# Allegro board 038NC-GRIFFI-V9A_16.brd (continued)
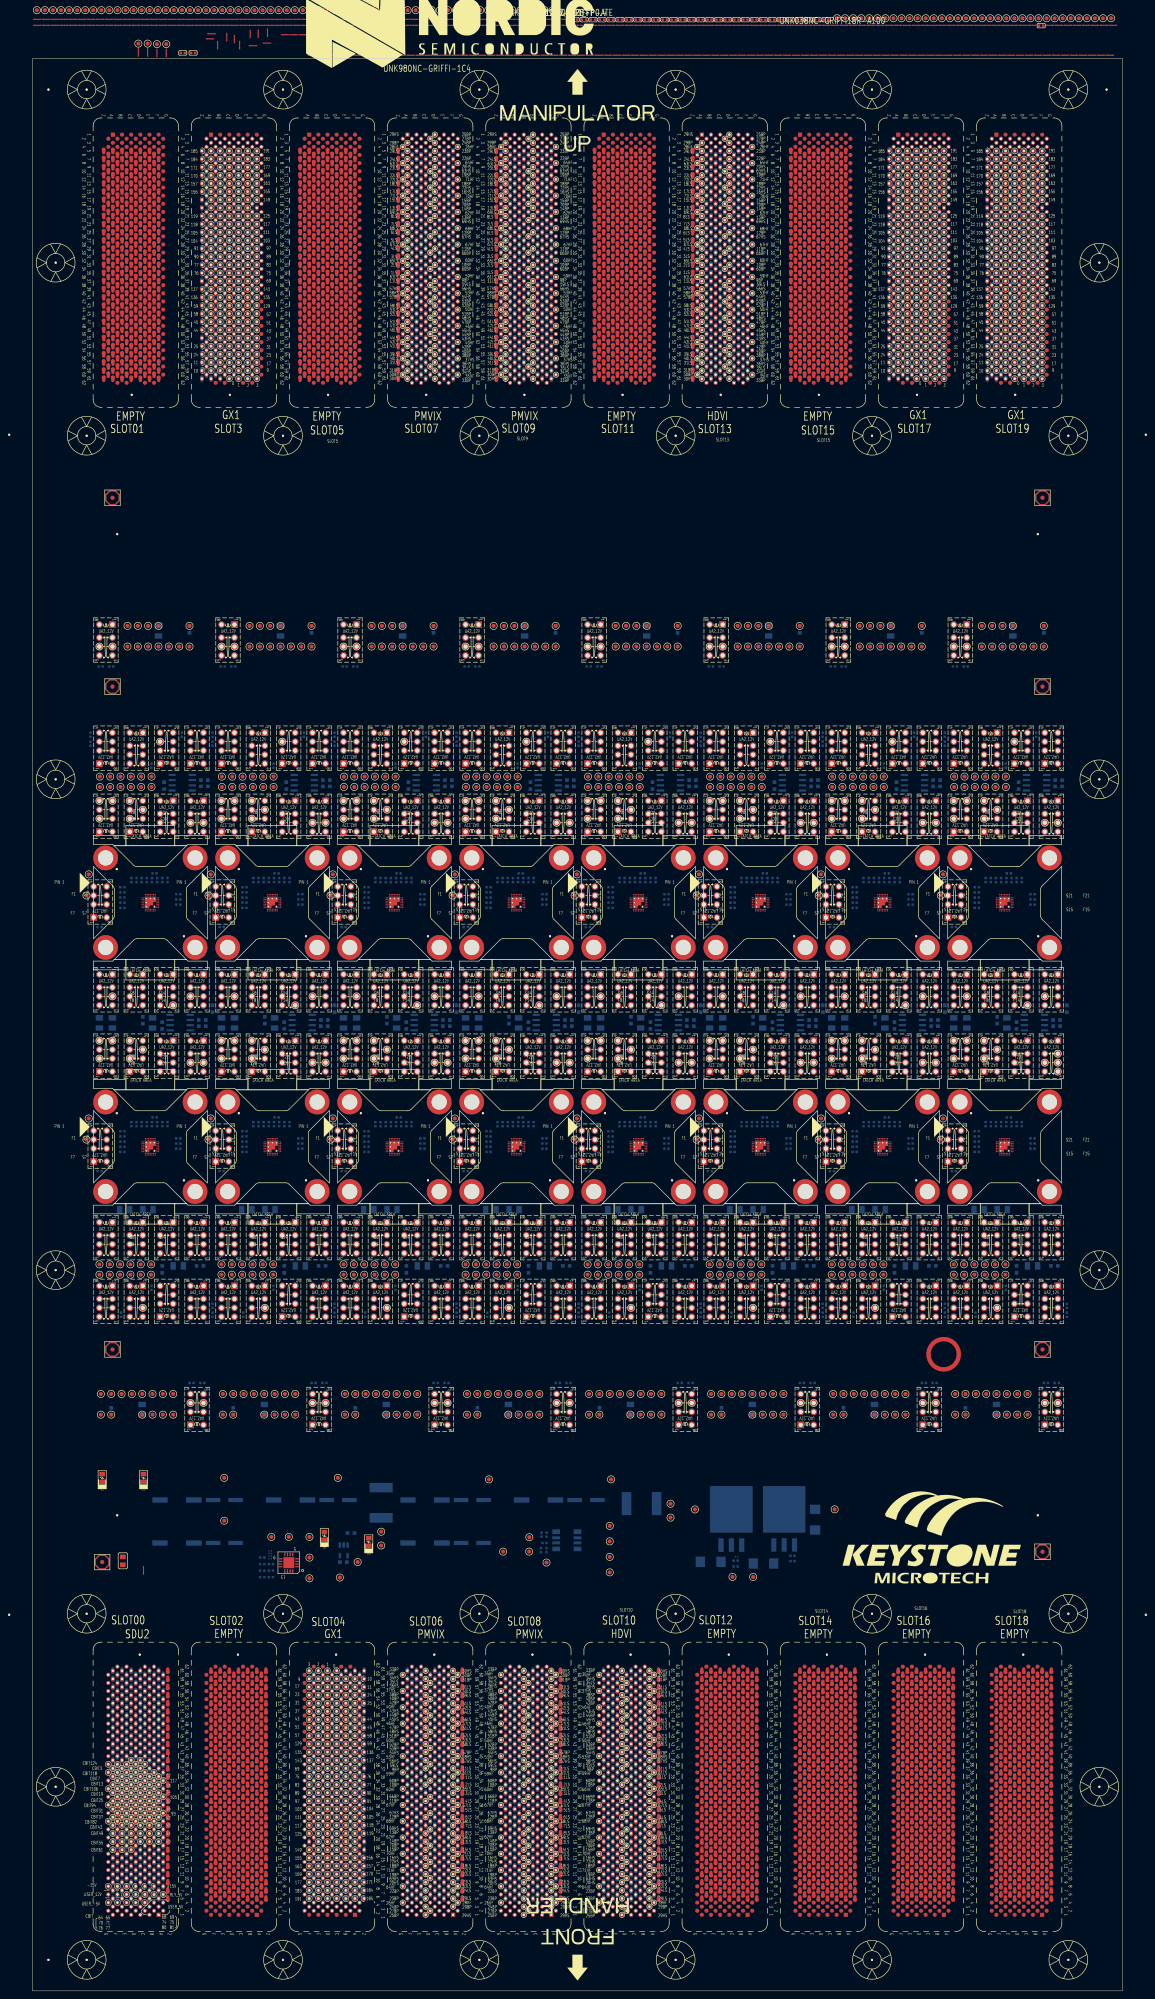
[diagram p0: board, top side]
## Footprints (pads in the part's own frame, mm; a bottom-side part is the same pattern mirrored in y, then rotated) (continued)
PG_LTXDX_F_X1_PG400ND_SL12_V3
  round 0.051 hole 2.489x2.21 unplated: (36.185,-220.342)
  round 0.508 hole 3.2 unplated: (37.185,-154.842)
  rect 1.016x1.016 smd: A1(41.814,-218.796)
  round 1.016 smd: A2(42.939,-217.796) A3(41.814,-216.796) A4(42.939,-215.796) B1(39.565,-218.796) B2(40.69,-217.796) B3(39.565,-216.796) B4(40.69,-215.796) B62(40.69,-157.796) C1(37.314,-218.796) C2(38.44,-217.796) C3(37.314,-216.796) C4(38.44,-215.796) C62(38.44,-157.796) D1(35.064,-218.796) D2(36.189,-217.796) D3(35.064,-216.796) D4(36.189,-215.796) E1(32.815,-218.796) E2(33.939,-217.796) E3(32.815,-216.796) E4(33.939,-215.796) E62(33.939,-157.796) F1(30.565,-218.796) F2(31.69,-217.796) F3(30.565,-216.796) F4(31.69,-215.796) F62(31.69,-157.796) G2(29.44,-217.796) G4(29.44,-215.796) G6(29.44,-213.796) G8(29.44,-211.796) G10(29.44,-209.796) G12(29.44,-207.796) G14(29.44,-205.796) G16(29.44,-203.796) G18(29.44,-201.796) G20(29.44,-199.796) G22(29.44,-197.796) G24(29.44,-195.796) G26(29.44,-193.796) G28(29.44,-191.796) G30(29.44,-189.796) G32(29.44,-187.796) G34(29.44,-185.796) G36(29.44,-183.796) G38(29.44,-181.796) G40(29.44,-179.796) G42(29.44,-177.796) G44(29.44,-175.796) G46(29.44,-173.796) G48(29.44,-171.796) G50(29.44,-169.796) G52(29.44,-167.796) G54(29.44,-165.796) G56(29.44,-163.796) G58(29.44,-161.796) G60(29.44,-159.796)
  custom 0.257x0.257 smd: A5(41.814,-214.796) A6(42.939,-213.796) A7(41.814,-212.796) A8(42.939,-211.796) A9(41.814,-210.796) A10(42.939,-209.796) A11(41.814,-208.796) A12(42.939,-207.796) A13(41.814,-206.796) A14(42.939,-205.796) A15(41.814,-204.796) A16(42.939,-203.796) A17(41.814,-202.796) A18(42.939,-201.796) A19(41.814,-200.796) A20(42.939,-199.796) A21(41.814,-198.796) A22(42.939,-197.796) A23(41.814,-196.796) A24(42.939,-195.796) A25(41.814,-194.796) A26(42.939,-193.796) A27(41.814,-192.796) A28(42.939,-191.796) A29(41.814,-190.796) A30(42.939,-189.796) A31(41.814,-188.796) A32(42.939,-187.796) A33(41.814,-186.796) A34(42.939,-185.796) A35(41.814,-184.796) A36(42.939,-183.796) A37(41.814,-182.796) A38(42.939,-181.796) A39(41.814,-180.796) A40(42.939,-179.796) A41(41.814,-178.796) A42(42.939,-177.796) A43(41.814,-176.796) A44(42.939,-175.796) A45(41.814,-174.796) A46(42.939,-173.796) A47(41.814,-172.796) A48(42.939,-171.796) A49(41.814,-170.796) A50(42.939,-169.796) A51(41.814,-168.796) A52(42.939,-167.796) A53(41.814,-166.796) A54(42.939,-165.796) A55(41.814,-164.796) A56(42.939,-163.796) A57(41.814,-162.796) A58(42.939,-161.796) A59(41.814,-160.796) A60(42.939,-159.796) A61(41.814,-158.796) B5(39.565,-214.796) B6(40.69,-213.796) B7(39.565,-212.796) B8(40.69,-211.796) B9(39.565,-210.796) B10(40.69,-209.796) B11(39.565,-208.796) B12(40.69,-207.796) B13(39.565,-206.796) B14(40.69,-205.796) B15(39.565,-204.796) B16(40.69,-203.796) B17(39.565,-202.796) B18(40.69,-201.796) B19(39.565,-200.796) B20(40.69,-199.796) B21(39.565,-198.796) B22(40.69,-197.796) B23(39.565,-196.796) B24(40.69,-195.796) B25(39.565,-194.796) B26(40.69,-193.796) B27(39.565,-192.796) B28(40.69,-191.796) B29(39.565,-190.796) B30(40.69,-189.796) B31(39.565,-188.796) B32(40.69,-187.796) B33(39.565,-186.796) B34(40.69,-185.796) B35(39.565,-184.796) B36(40.69,-183.796) B37(39.565,-182.796) B38(40.69,-181.796) B39(39.565,-180.796) B40(40.69,-179.796) B41(39.565,-178.796) B42(40.69,-177.796) B43(39.565,-176.796) B44(40.69,-175.796) B45(39.565,-174.796) B46(40.69,-173.796) B47(39.565,-172.796) B48(40.69,-171.796) B49(39.565,-170.796) B50(40.69,-169.796) B51(39.565,-168.796) B52(40.69,-167.796) B53(39.565,-166.796) B54(40.69,-165.796) B55(39.565,-164.796) B56(40.69,-163.796) B57(39.565,-162.796) B58(40.69,-161.796) B59(39.565,-160.796) B60(40.69,-159.796) B61(39.565,-158.796) C5(37.314,-214.796) C6(38.44,-213.796) C7(37.314,-212.796) C8(38.44,-211.796) C9(37.314,-210.796) C10(38.44,-209.796) C11(37.314,-208.796) C12(38.44,-207.796) C13(37.314,-206.796) C14(38.44,-205.796) C15(37.314,-204.796) C16(38.44,-203.796) C17(37.314,-202.796) C18(38.44,-201.796) C19(37.314,-200.796) C20(38.44,-199.796) C21(37.314,-198.796) C22(38.44,-197.796) C23(37.314,-196.796) C24(38.44,-195.796) C25(37.314,-194.796) C26(38.44,-193.796) C27(37.314,-192.796) C28(38.44,-191.796) C29(37.314,-190.796) C30(38.44,-189.796) C31(37.314,-188.796) C32(38.44,-187.796) C33(37.314,-186.796) C34(38.44,-185.796) C35(37.314,-184.796) C36(38.44,-183.796) C37(37.314,-182.796) C38(38.44,-181.796) C39(37.314,-180.796) C40(38.44,-179.796) C41(37.314,-178.796) C42(38.44,-177.796) C43(37.314,-176.796) C44(38.44,-175.796) C45(37.314,-174.796) C46(38.44,-173.796) C47(37.314,-172.796) C48(38.44,-171.796) C49(37.314,-170.796) C50(38.44,-169.796) C51(37.314,-168.796) C52(38.44,-167.796) C53(37.314,-166.796) C54(38.44,-165.796) C55(37.314,-164.796) C56(38.44,-163.796) C57(37.314,-162.796) C58(38.44,-161.796) C59(37.314,-160.796) C60(38.44,-159.796) C61(37.314,-158.796) D5(35.064,-214.796) D6(36.189,-213.796) D7(35.064,-212.796) D8(36.189,-211.796) D9(35.064,-210.796) D10(36.189,-209.796) D11(35.064,-208.796) D12(36.189,-207.796) D13(35.064,-206.796) D14(36.189,-205.796) D15(35.064,-204.796) D16(36.189,-203.796) D17(35.064,-202.796) D18(36.189,-201.796) D19(35.064,-200.796) D20(36.189,-199.796) D21(35.064,-198.796) D22(36.189,-197.796) D23(35.064,-196.796) D24(36.189,-195.796) D25(35.064,-194.796) D26(36.189,-193.796) D27(35.064,-192.796) D28(36.189,-191.796) D29(35.064,-190.796) D30(36.189,-189.796) D31(35.064,-188.796) D32(36.189,-187.796) D33(35.064,-186.796) D34(36.189,-185.796) D35(35.064,-184.796) D36(36.189,-183.796) D37(35.064,-182.796) D38(36.189,-181.796) D39(35.064,-180.796) D40(36.189,-179.796) D41(35.064,-178.796) D42(36.189,-177.796) D43(35.064,-176.796) D44(36.189,-175.796) D45(35.064,-174.796) D46(36.189,-173.796) D47(35.064,-172.796) D48(36.189,-171.796) D49(35.064,-170.796) D50(36.189,-169.796) D51(35.064,-168.796) D52(36.189,-167.796) D53(35.064,-166.796) D54(36.189,-165.796) D55(35.064,-164.796) D56(36.189,-163.796) D57(35.064,-162.796) D58(36.189,-161.796) D59(35.064,-160.796) D60(36.189,-159.796) D61(35.064,-158.796) E5(32.815,-214.796) E6(33.939,-213.796) E7(32.815,-212.796) E8(33.939,-211.796) E9(32.815,-210.796) E10(33.939,-209.796) E11(32.815,-208.796) E12(33.939,-207.796) E13(32.815,-206.796) E14(33.939,-205.796) E15(32.815,-204.796) E16(33.939,-203.796) E17(32.815,-202.796) E18(33.939,-201.796) E19(32.815,-200.796) E20(33.939,-199.796) E21(32.815,-198.796) E22(33.939,-197.796) E23(32.815,-196.796) E24(33.939,-195.796) E25(32.815,-194.796) E26(33.939,-193.796) E27(32.815,-192.796) E28(33.939,-191.796) E29(32.815,-190.796) E30(33.939,-189.796) E31(32.815,-188.796) E32(33.939,-187.796) E33(32.815,-186.796) E34(33.939,-185.796) E35(32.815,-184.796) E36(33.939,-183.796) E37(32.815,-182.796) E38(33.939,-181.796) E39(32.815,-180.796) E40(33.939,-179.796) E41(32.815,-178.796) E42(33.939,-177.796) E43(32.815,-176.796) E44(33.939,-175.796) E45(32.815,-174.796) E46(33.939,-173.796) E47(32.815,-172.796) E48(33.939,-171.796) E49(32.815,-170.796) E50(33.939,-169.796) E51(32.815,-168.796) E52(33.939,-167.796) E53(32.815,-166.796) E54(33.939,-165.796) E55(32.815,-164.796) E56(33.939,-163.796) E57(32.815,-162.796) E58(33.939,-161.796) E59(32.815,-160.796) E60(33.939,-159.796) E61(32.815,-158.796) F5(30.565,-214.796) F6(31.69,-213.796) F7(30.565,-212.796) F8(31.69,-211.796) F9(30.565,-210.796) F10(31.69,-209.796) F11(30.565,-208.796) F12(31.69,-207.796) F13(30.565,-206.796) F14(31.69,-205.796) F15(30.565,-204.796) F16(31.69,-203.796) F17(30.565,-202.796) F18(31.69,-201.796) F19(30.565,-200.796) F20(31.69,-199.796) F21(30.565,-198.796) F22(31.69,-197.796) F23(30.565,-196.796) F24(31.69,-195.796) F25(30.565,-194.796) F26(31.69,-193.796) F27(30.565,-192.796) F28(31.69,-191.796) F29(30.565,-190.796) F30(31.69,-189.796) F31(30.565,-188.796) F32(31.69,-187.796) F33(30.565,-186.796) F34(31.69,-185.796) F35(30.565,-184.796) F36(31.69,-183.796) F37(30.565,-182.796) F38(31.69,-181.796) F39(30.565,-180.796) F40(31.69,-179.796) F41(30.565,-178.796) F42(31.69,-177.796) F43(30.565,-176.796) F44(31.69,-175.796) F45(30.565,-174.796) F46(31.69,-173.796) F47(30.565,-172.796) F48(31.69,-171.796) F49(30.565,-170.796) F50(31.69,-169.796) F51(30.565,-168.796) F52(31.69,-167.796) F53(30.565,-166.796) F54(31.69,-165.796) F55(30.565,-164.796) F56(31.69,-163.796) F57(30.565,-162.796) F58(31.69,-161.796) F59(30.565,-160.796) F60(31.69,-159.796) F61(30.565,-158.796) Z5(44.064,-214.796) Z7(44.064,-212.796) Z9(44.064,-210.796) Z11(44.064,-208.796) Z13(44.064,-206.796) Z15(44.064,-204.796) Z17(44.064,-202.796) Z19(44.064,-200.796) Z21(44.064,-198.796) Z23(44.064,-196.796) Z25(44.064,-194.796) Z27(44.064,-192.796) Z29(44.064,-190.796) Z31(44.064,-188.796) Z33(44.064,-186.796) Z35(44.064,-184.796) Z37(44.064,-182.796) Z39(44.064,-180.796) Z41(44.064,-178.796) Z43(44.064,-176.796) Z45(44.064,-174.796) Z47(44.064,-172.796) Z49(44.064,-170.796) Z51(44.064,-168.796) Z53(44.064,-166.796) Z55(44.064,-164.796) Z57(44.064,-162.796) Z59(44.064,-160.796) Z61(44.064,-158.796)
PG_LTXDX_F_X1_PG400ND_SL14_V3
  round 0.051 hole 2.489x2.21 unplated: (60.315,-220.342)
  round 0.508 hole 3.2 unplated: (61.315,-154.842)
  rect 1.016x1.016 smd: A1(65.944,-218.796)
  round 1.016 smd: A2(67.069,-217.796) A3(65.944,-216.796) A4(67.069,-215.796) B1(63.695,-218.796) B2(64.82,-217.796) B3(63.695,-216.796) B4(64.82,-215.796) B62(64.82,-157.796) C1(61.444,-218.796) C2(62.57,-217.796) C3(61.444,-216.796) C4(62.57,-215.796) C62(62.57,-157.796) D1(59.194,-218.796) D2(60.319,-217.796) D3(59.194,-216.796) D4(60.319,-215.796) E1(56.945,-218.796) E2(58.069,-217.796) E3(56.945,-216.796) E4(58.069,-215.796) E62(58.069,-157.796) F1(54.695,-218.796) F2(55.82,-217.796) F3(54.695,-216.796) F4(55.82,-215.796) F62(55.82,-157.796) G2(53.57,-217.796) G4(53.57,-215.796) G6(53.57,-213.796) G8(53.57,-211.796) G10(53.57,-209.796) G12(53.57,-207.796) G14(53.57,-205.796) G16(53.57,-203.796) G18(53.57,-201.796) G20(53.57,-199.796) G22(53.57,-197.796) G24(53.57,-195.796) G26(53.57,-193.796) G28(53.57,-191.796) G30(53.57,-189.796) G32(53.57,-187.796) G34(53.57,-185.796) G36(53.57,-183.796) G38(53.57,-181.796) G40(53.57,-179.796) G42(53.57,-177.796) G44(53.57,-175.796) G46(53.57,-173.796) G48(53.57,-171.796) G50(53.57,-169.796) G52(53.57,-167.796) G54(53.57,-165.796) G56(53.57,-163.796) G58(53.57,-161.796) G60(53.57,-159.796)
  custom 0.257x0.257 smd: A5(65.944,-214.796) A6(67.069,-213.796) A7(65.944,-212.796) A8(67.069,-211.796) A9(65.944,-210.796) A10(67.069,-209.796) A11(65.944,-208.796) A12(67.069,-207.796) A13(65.944,-206.796) A14(67.069,-205.796) A15(65.944,-204.796) A16(67.069,-203.796) A17(65.944,-202.796) A18(67.069,-201.796) A19(65.944,-200.796) A20(67.069,-199.796) A21(65.944,-198.796) A22(67.069,-197.796) A23(65.944,-196.796) A24(67.069,-195.796) A25(65.944,-194.796) A26(67.069,-193.796) A27(65.944,-192.796) A28(67.069,-191.796) A29(65.944,-190.796) A30(67.069,-189.796) A31(65.944,-188.796) A32(67.069,-187.796) A33(65.944,-186.796) A34(67.069,-185.796) A35(65.944,-184.796) A36(67.069,-183.796) A37(65.944,-182.796) A38(67.069,-181.796) A39(65.944,-180.796) A40(67.069,-179.796) A41(65.944,-178.796) A42(67.069,-177.796) A43(65.944,-176.796) A44(67.069,-175.796) A45(65.944,-174.796) A46(67.069,-173.796) A47(65.944,-172.796) A48(67.069,-171.796) A49(65.944,-170.796) A50(67.069,-169.796) A51(65.944,-168.796) A52(67.069,-167.796) A53(65.944,-166.796) A54(67.069,-165.796) A55(65.944,-164.796) A56(67.069,-163.796) A57(65.944,-162.796) A58(67.069,-161.796) A59(65.944,-160.796) A60(67.069,-159.796) A61(65.944,-158.796) B5(63.695,-214.796) B6(64.82,-213.796) B7(63.695,-212.796) B8(64.82,-211.796) B9(63.695,-210.796) B10(64.82,-209.796) B11(63.695,-208.796) B12(64.82,-207.796) B13(63.695,-206.796) B14(64.82,-205.796) B15(63.695,-204.796) B16(64.82,-203.796) B17(63.695,-202.796) B18(64.82,-201.796) B19(63.695,-200.796) B20(64.82,-199.796) B21(63.695,-198.796) B22(64.82,-197.796) B23(63.695,-196.796) B24(64.82,-195.796) B25(63.695,-194.796) B26(64.82,-193.796) B27(63.695,-192.796) B28(64.82,-191.796) B29(63.695,-190.796) B30(64.82,-189.796) B31(63.695,-188.796) B32(64.82,-187.796) B33(63.695,-186.796) B34(64.82,-185.796) B35(63.695,-184.796) B36(64.82,-183.796) B37(63.695,-182.796) B38(64.82,-181.796) B39(63.695,-180.796) B40(64.82,-179.796) B41(63.695,-178.796) B42(64.82,-177.796) B43(63.695,-176.796) B44(64.82,-175.796) B45(63.695,-174.796) B46(64.82,-173.796) B47(63.695,-172.796) B48(64.82,-171.796) B49(63.695,-170.796) B50(64.82,-169.796) B51(63.695,-168.796) B52(64.82,-167.796) B53(63.695,-166.796) B54(64.82,-165.796) B55(63.695,-164.796) B56(64.82,-163.796) B57(63.695,-162.796) B58(64.82,-161.796) B59(63.695,-160.796) B60(64.82,-159.796) B61(63.695,-158.796) C5(61.444,-214.796) C6(62.57,-213.796) C7(61.444,-212.796) C8(62.57,-211.796) C9(61.444,-210.796) C10(62.57,-209.796) C11(61.444,-208.796) C12(62.57,-207.796) C13(61.444,-206.796) C14(62.57,-205.796) C15(61.444,-204.796) C16(62.57,-203.796) C17(61.444,-202.796) C18(62.57,-201.796) C19(61.444,-200.796) C20(62.57,-199.796) C21(61.444,-198.796) C22(62.57,-197.796) C23(61.444,-196.796) C24(62.57,-195.796) C25(61.444,-194.796) C26(62.57,-193.796) C27(61.444,-192.796) C28(62.57,-191.796) C29(61.444,-190.796) C30(62.57,-189.796) C31(61.444,-188.796) C32(62.57,-187.796) C33(61.444,-186.796) C34(62.57,-185.796) C35(61.444,-184.796) C36(62.57,-183.796) C37(61.444,-182.796) C38(62.57,-181.796) C39(61.444,-180.796) C40(62.57,-179.796) C41(61.444,-178.796) C42(62.57,-177.796) C43(61.444,-176.796) C44(62.57,-175.796) C45(61.444,-174.796) C46(62.57,-173.796) C47(61.444,-172.796) C48(62.57,-171.796) C49(61.444,-170.796) C50(62.57,-169.796) C51(61.444,-168.796) C52(62.57,-167.796) C53(61.444,-166.796) C54(62.57,-165.796) C55(61.444,-164.796) C56(62.57,-163.796) C57(61.444,-162.796) C58(62.57,-161.796) C59(61.444,-160.796) C60(62.57,-159.796) C61(61.444,-158.796) D5(59.194,-214.796) D6(60.319,-213.796) D7(59.194,-212.796) D8(60.319,-211.796) D9(59.194,-210.796) D10(60.319,-209.796) D11(59.194,-208.796) D12(60.319,-207.796) D13(59.194,-206.796) D14(60.319,-205.796) D15(59.194,-204.796) D16(60.319,-203.796) D17(59.194,-202.796) D18(60.319,-201.796) D19(59.194,-200.796) D20(60.319,-199.796) D21(59.194,-198.796) D22(60.319,-197.796) D23(59.194,-196.796) D24(60.319,-195.796) D25(59.194,-194.796) D26(60.319,-193.796) D27(59.194,-192.796) D28(60.319,-191.796) D29(59.194,-190.796) D30(60.319,-189.796) D31(59.194,-188.796) D32(60.319,-187.796) D33(59.194,-186.796) D34(60.319,-185.796) D35(59.194,-184.796) D36(60.319,-183.796) D37(59.194,-182.796) D38(60.319,-181.796) D39(59.194,-180.796) D40(60.319,-179.796) D41(59.194,-178.796) D42(60.319,-177.796) D43(59.194,-176.796) D44(60.319,-175.796) D45(59.194,-174.796) D46(60.319,-173.796) D47(59.194,-172.796) D48(60.319,-171.796) D49(59.194,-170.796) D50(60.319,-169.796) D51(59.194,-168.796) D52(60.319,-167.796) D53(59.194,-166.796) D54(60.319,-165.796) D55(59.194,-164.796) D56(60.319,-163.796) D57(59.194,-162.796) D58(60.319,-161.796) D59(59.194,-160.796) D60(60.319,-159.796) D61(59.194,-158.796) E5(56.945,-214.796) E6(58.069,-213.796) E7(56.945,-212.796) E8(58.069,-211.796) E9(56.945,-210.796) E10(58.069,-209.796) E11(56.945,-208.796) E12(58.069,-207.796) E13(56.945,-206.796) E14(58.069,-205.796) E15(56.945,-204.796) E16(58.069,-203.796) E17(56.945,-202.796) E18(58.069,-201.796) E19(56.945,-200.796) E20(58.069,-199.796) E21(56.945,-198.796) E22(58.069,-197.796) E23(56.945,-196.796) E24(58.069,-195.796) E25(56.945,-194.796) E26(58.069,-193.796) E27(56.945,-192.796) E28(58.069,-191.796) E29(56.945,-190.796) E30(58.069,-189.796) E31(56.945,-188.796) E32(58.069,-187.796) E33(56.945,-186.796) E34(58.069,-185.796) E35(56.945,-184.796) E36(58.069,-183.796) E37(56.945,-182.796) E38(58.069,-181.796) E39(56.945,-180.796) E40(58.069,-179.796) E41(56.945,-178.796) E42(58.069,-177.796) E43(56.945,-176.796) E44(58.069,-175.796) E45(56.945,-174.796) E46(58.069,-173.796) E47(56.945,-172.796) E48(58.069,-171.796) E49(56.945,-170.796) E50(58.069,-169.796) E51(56.945,-168.796) E52(58.069,-167.796) E53(56.945,-166.796) E54(58.069,-165.796) E55(56.945,-164.796) E56(58.069,-163.796) E57(56.945,-162.796) E58(58.069,-161.796) E59(56.945,-160.796) E60(58.069,-159.796) E61(56.945,-158.796) F5(54.695,-214.796) F6(55.82,-213.796) F7(54.695,-212.796) F8(55.82,-211.796) F9(54.695,-210.796) F10(55.82,-209.796) F11(54.695,-208.796) F12(55.82,-207.796) F13(54.695,-206.796) F14(55.82,-205.796) F15(54.695,-204.796) F16(55.82,-203.796) F17(54.695,-202.796) F18(55.82,-201.796) F19(54.695,-200.796) F20(55.82,-199.796) F21(54.695,-198.796) F22(55.82,-197.796) F23(54.695,-196.796) F24(55.82,-195.796) F25(54.695,-194.796) F26(55.82,-193.796) F27(54.695,-192.796) F28(55.82,-191.796) F29(54.695,-190.796) F30(55.82,-189.796) F31(54.695,-188.796) F32(55.82,-187.796) F33(54.695,-186.796) F34(55.82,-185.796) F35(54.695,-184.796) F36(55.82,-183.796) F37(54.695,-182.796) F38(55.82,-181.796) F39(54.695,-180.796) F40(55.82,-179.796) F41(54.695,-178.796) F42(55.82,-177.796) F43(54.695,-176.796) F44(55.82,-175.796) F45(54.695,-174.796) F46(55.82,-173.796) F47(54.695,-172.796) F48(55.82,-171.796) F49(54.695,-170.796) F50(55.82,-169.796) F51(54.695,-168.796) F52(55.82,-167.796) F53(54.695,-166.796) F54(55.82,-165.796) F55(54.695,-164.796) F56(55.82,-163.796) F57(54.695,-162.796) F58(55.82,-161.796) F59(54.695,-160.796) F60(55.82,-159.796) F61(54.695,-158.796) Z5(68.194,-214.796) Z7(68.194,-212.796) Z9(68.194,-210.796) Z11(68.194,-208.796) Z13(68.194,-206.796) Z15(68.194,-204.796) Z17(68.194,-202.796) Z19(68.194,-200.796) Z21(68.194,-198.796) Z23(68.194,-196.796) Z25(68.194,-194.796) Z27(68.194,-192.796) Z29(68.194,-190.796) Z31(68.194,-188.796) Z33(68.194,-186.796) Z35(68.194,-184.796) Z37(68.194,-182.796) Z39(68.194,-180.796) Z41(68.194,-178.796) Z43(68.194,-176.796) Z45(68.194,-174.796) Z47(68.194,-172.796) Z49(68.194,-170.796) Z51(68.194,-168.796) Z53(68.194,-166.796) Z55(68.194,-164.796) Z57(68.194,-162.796) Z59(68.194,-160.796) Z61(68.194,-158.796)
PG_LTXDX_F_X1_PG400ND_SL15_V3
  round 0.508 hole 3.2 unplated: (59.335,154.842)
  round 0.051 hole 2.489x2.21 unplated: (60.335,220.342)
  rect 1.016x1.016 smd: A1(54.706,218.796)
  round 1.016 smd: A2(53.581,217.796) A3(54.706,216.796) A4(53.581,215.796) B1(56.955,218.796) B2(55.83,217.796) B3(56.955,216.796) B4(55.83,215.796) B62(55.83,157.796) C1(59.206,218.796) C2(58.08,217.796) C3(59.206,216.796) C4(58.08,215.796) C62(58.08,157.796) D1(61.456,218.796) D2(60.331,217.796) D3(61.456,216.796) D4(60.331,215.796) E1(63.705,218.796) E2(62.581,217.796) E3(63.705,216.796) E4(62.581,215.796) E62(62.581,157.796) F1(65.955,218.796) F2(64.83,217.796) F3(65.955,216.796) F4(64.83,215.796) F62(64.83,157.796) G2(67.08,217.796) G4(67.08,215.796) G6(67.08,213.796) G8(67.08,211.796) G10(67.08,209.796) G12(67.08,207.796) G14(67.08,205.796) G16(67.08,203.796) G18(67.08,201.796) G20(67.08,199.796) G22(67.08,197.796) G24(67.08,195.796) G26(67.08,193.796) G28(67.08,191.796) G30(67.08,189.796) G32(67.08,187.796) G34(67.08,185.796) G36(67.08,183.796) G38(67.08,181.796) G40(67.08,179.796) G42(67.08,177.796) G44(67.08,175.796) G46(67.08,173.796) G48(67.08,171.796) G50(67.08,169.796) G52(67.08,167.796) G54(67.08,165.796) G56(67.08,163.796) G58(67.08,161.796) G60(67.08,159.796)
  custom 0.257x0.257 smd: A5(54.706,214.796) A6(53.581,213.796) A7(54.706,212.796) A8(53.581,211.796) A9(54.706,210.796) A10(53.581,209.796) A11(54.706,208.796) A12(53.581,207.796) A13(54.706,206.796) A14(53.581,205.796) A15(54.706,204.796) A16(53.581,203.796) A17(54.706,202.796) A18(53.581,201.796) A19(54.706,200.796) A20(53.581,199.796) A21(54.706,198.796) A22(53.581,197.796) A23(54.706,196.796) A24(53.581,195.796) A25(54.706,194.796) A26(53.581,193.796) A27(54.706,192.796) A28(53.581,191.796) A29(54.706,190.796) A30(53.581,189.796) A31(54.706,188.796) A32(53.581,187.796) A33(54.706,186.796) A34(53.581,185.796) A35(54.706,184.796) A36(53.581,183.796) A37(54.706,182.796) A38(53.581,181.796) A39(54.706,180.796) A40(53.581,179.796) A41(54.706,178.796) A42(53.581,177.796) A43(54.706,176.796) A44(53.581,175.796) A45(54.706,174.796) A46(53.581,173.796) A47(54.706,172.796) A48(53.581,171.796) A49(54.706,170.796) A50(53.581,169.796) A51(54.706,168.796) A52(53.581,167.796) A53(54.706,166.796) A54(53.581,165.796) A55(54.706,164.796) A56(53.581,163.796) A57(54.706,162.796) A58(53.581,161.796) A59(54.706,160.796) A60(53.581,159.796) A61(54.706,158.796) B5(56.955,214.796) B6(55.83,213.796) B7(56.955,212.796) B8(55.83,211.796) B9(56.955,210.796) B10(55.83,209.796) B11(56.955,208.796) B12(55.83,207.796) B13(56.955,206.796) B14(55.83,205.796) B15(56.955,204.796) B16(55.83,203.796) B17(56.955,202.796) B18(55.83,201.796) B19(56.955,200.796) B20(55.83,199.796) B21(56.955,198.796) B22(55.83,197.796) B23(56.955,196.796) B24(55.83,195.796) B25(56.955,194.796) B26(55.83,193.796) B27(56.955,192.796) B28(55.83,191.796) B29(56.955,190.796) B30(55.83,189.796) B31(56.955,188.796) B32(55.83,187.796) B33(56.955,186.796) B34(55.83,185.796) B35(56.955,184.796) B36(55.83,183.796) B37(56.955,182.796) B38(55.83,181.796) B39(56.955,180.796) B40(55.83,179.796) B41(56.955,178.796) B42(55.83,177.796) B43(56.955,176.796) B44(55.83,175.796) B45(56.955,174.796) B46(55.83,173.796) B47(56.955,172.796) B48(55.83,171.796) B49(56.955,170.796) B50(55.83,169.796) B51(56.955,168.796) B52(55.83,167.796) B53(56.955,166.796) B54(55.83,165.796) B55(56.955,164.796) B56(55.83,163.796) B57(56.955,162.796) B58(55.83,161.796) B59(56.955,160.796) B60(55.83,159.796) B61(56.955,158.796) C5(59.206,214.796) C6(58.08,213.796) C7(59.206,212.796) C8(58.08,211.796) C9(59.206,210.796) C10(58.08,209.796) C11(59.206,208.796) C12(58.08,207.796) C13(59.206,206.796) C14(58.08,205.796) C15(59.206,204.796) C16(58.08,203.796) C17(59.206,202.796) C18(58.08,201.796) C19(59.206,200.796) C20(58.08,199.796) C21(59.206,198.796) C22(58.08,197.796) C23(59.206,196.796) C24(58.08,195.796) C25(59.206,194.796) C26(58.08,193.796) C27(59.206,192.796) C28(58.08,191.796) C29(59.206,190.796) C30(58.08,189.796) C31(59.206,188.796) C32(58.08,187.796) C33(59.206,186.796) C34(58.08,185.796) C35(59.206,184.796) C36(58.08,183.796) C37(59.206,182.796) C38(58.08,181.796) C39(59.206,180.796) C40(58.08,179.796) C41(59.206,178.796) C42(58.08,177.796) C43(59.206,176.796) C44(58.08,175.796) C45(59.206,174.796) C46(58.08,173.796) C47(59.206,172.796) C48(58.08,171.796) C49(59.206,170.796) C50(58.08,169.796) C51(59.206,168.796) C52(58.08,167.796) C53(59.206,166.796) C54(58.08,165.796) C55(59.206,164.796) C56(58.08,163.796) C57(59.206,162.796) C58(58.08,161.796) C59(59.206,160.796) C60(58.08,159.796) C61(59.206,158.796) D5(61.456,214.796) D6(60.331,213.796) D7(61.456,212.796) D8(60.331,211.796) D9(61.456,210.796) D10(60.331,209.796) D11(61.456,208.796) D12(60.331,207.796) D13(61.456,206.796) D14(60.331,205.796) D15(61.456,204.796) D16(60.331,203.796) D17(61.456,202.796) D18(60.331,201.796) D19(61.456,200.796) D20(60.331,199.796) D21(61.456,198.796) D22(60.331,197.796) D23(61.456,196.796) D24(60.331,195.796) D25(61.456,194.796) D26(60.331,193.796) D27(61.456,192.796) D28(60.331,191.796) D29(61.456,190.796) D30(60.331,189.796) D31(61.456,188.796) D32(60.331,187.796) D33(61.456,186.796) D34(60.331,185.796) D35(61.456,184.796) D36(60.331,183.796) D37(61.456,182.796) D38(60.331,181.796) D39(61.456,180.796) D40(60.331,179.796) D41(61.456,178.796) D42(60.331,177.796) D43(61.456,176.796) D44(60.331,175.796) D45(61.456,174.796) D46(60.331,173.796) D47(61.456,172.796) D48(60.331,171.796) D49(61.456,170.796) D50(60.331,169.796) D51(61.456,168.796) D52(60.331,167.796) D53(61.456,166.796) D54(60.331,165.796) D55(61.456,164.796) D56(60.331,163.796) D57(61.456,162.796) D58(60.331,161.796) D59(61.456,160.796) D60(60.331,159.796) D61(61.456,158.796) E5(63.705,214.796) E6(62.581,213.796) E7(63.705,212.796) E8(62.581,211.796) E9(63.705,210.796) E10(62.581,209.796) E11(63.705,208.796) E12(62.581,207.796) E13(63.705,206.796) E14(62.581,205.796) E15(63.705,204.796) E16(62.581,203.796) E17(63.705,202.796) E18(62.581,201.796) E19(63.705,200.796) E20(62.581,199.796) E21(63.705,198.796) E22(62.581,197.796) E23(63.705,196.796) E24(62.581,195.796) E25(63.705,194.796) E26(62.581,193.796) E27(63.705,192.796) E28(62.581,191.796) E29(63.705,190.796) E30(62.581,189.796) E31(63.705,188.796) E32(62.581,187.796) E33(63.705,186.796) E34(62.581,185.796) E35(63.705,184.796) E36(62.581,183.796) E37(63.705,182.796) E38(62.581,181.796) E39(63.705,180.796) E40(62.581,179.796) E41(63.705,178.796) E42(62.581,177.796) E43(63.705,176.796) E44(62.581,175.796) E45(63.705,174.796) E46(62.581,173.796) E47(63.705,172.796) E48(62.581,171.796) E49(63.705,170.796) E50(62.581,169.796) E51(63.705,168.796) E52(62.581,167.796) E53(63.705,166.796) E54(62.581,165.796) E55(63.705,164.796) E56(62.581,163.796) E57(63.705,162.796) E58(62.581,161.796) E59(63.705,160.796) E60(62.581,159.796) E61(63.705,158.796) F5(65.955,214.796) F6(64.83,213.796) F7(65.955,212.796) F8(64.83,211.796) F9(65.955,210.796) F10(64.83,209.796) F11(65.955,208.796) F12(64.83,207.796) F13(65.955,206.796) F14(64.83,205.796) F15(65.955,204.796) F16(64.83,203.796) F17(65.955,202.796) F18(64.83,201.796) F19(65.955,200.796) F20(64.83,199.796) F21(65.955,198.796) F22(64.83,197.796) F23(65.955,196.796) F24(64.83,195.796) F25(65.955,194.796) F26(64.83,193.796) F27(65.955,192.796) F28(64.83,191.796) F29(65.955,190.796) F30(64.83,189.796) F31(65.955,188.796) F32(64.83,187.796) F33(65.955,186.796) F34(64.83,185.796) F35(65.955,184.796) F36(64.83,183.796) F37(65.955,182.796) F38(64.83,181.796) F39(65.955,180.796) F40(64.83,179.796) F41(65.955,178.796) F42(64.83,177.796) F43(65.955,176.796) F44(64.83,175.796) F45(65.955,174.796) F46(64.83,173.796) F47(65.955,172.796) F48(64.83,171.796) F49(65.955,170.796) F50(64.83,169.796) F51(65.955,168.796) F52(64.83,167.796) F53(65.955,166.796) F54(64.83,165.796) F55(65.955,164.796) F56(64.83,163.796) F57(65.955,162.796) F58(64.83,161.796) F59(65.955,160.796) F60(64.83,159.796) F61(65.955,158.796) Z5(52.456,214.796) Z7(52.456,212.796) Z9(52.456,210.796) Z11(52.456,208.796) Z13(52.456,206.796) Z15(52.456,204.796) Z17(52.456,202.796) Z19(52.456,200.796) Z21(52.456,198.796) Z23(52.456,196.796) Z25(52.456,194.796) Z27(52.456,192.796) Z29(52.456,190.796) Z31(52.456,188.796) Z33(52.456,186.796) Z35(52.456,184.796) Z37(52.456,182.796) Z39(52.456,180.796) Z41(52.456,178.796) Z43(52.456,176.796) Z45(52.456,174.796) Z47(52.456,172.796) Z49(52.456,170.796) Z51(52.456,168.796) Z53(52.456,166.796) Z55(52.456,164.796) Z57(52.456,162.796) Z59(52.456,160.796) Z61(52.456,158.796)
PG_LTXDX_F_X1_PG400ND_SL16_V3
  round 0.051 hole 2.489x2.21 unplated: (84.445,-220.342)
  round 0.508 hole 3.2 unplated: (85.445,-154.842)
  rect 1.016x1.016 smd: A1(90.074,-218.796)
  round 1.016 smd: A2(91.199,-217.796) A3(90.074,-216.796) A4(91.199,-215.796) B1(87.825,-218.796) B2(88.95,-217.796) B3(87.825,-216.796) B4(88.95,-215.796) B62(88.95,-157.796) C1(85.574,-218.796) C2(86.7,-217.796) C3(85.574,-216.796) C4(86.7,-215.796) C62(86.7,-157.796) D1(83.324,-218.796) D2(84.449,-217.796) D3(83.324,-216.796) D4(84.449,-215.796) E1(81.075,-218.796) E2(82.199,-217.796) E3(81.075,-216.796) E4(82.199,-215.796) E62(82.199,-157.796) F1(78.825,-218.796) F2(79.95,-217.796) F3(78.825,-216.796) F4(79.95,-215.796) F62(79.95,-157.796) G2(77.7,-217.796) G4(77.7,-215.796) G6(77.7,-213.796) G8(77.7,-211.796) G10(77.7,-209.796) G12(77.7,-207.796) G14(77.7,-205.796) G16(77.7,-203.796) G18(77.7,-201.796) G20(77.7,-199.796) G22(77.7,-197.796) G24(77.7,-195.796) G26(77.7,-193.796) G28(77.7,-191.796) G30(77.7,-189.796) G32(77.7,-187.796) G34(77.7,-185.796) G36(77.7,-183.796) G38(77.7,-181.796) G40(77.7,-179.796) G42(77.7,-177.796) G44(77.7,-175.796) G46(77.7,-173.796) G48(77.7,-171.796) G50(77.7,-169.796) G52(77.7,-167.796) G54(77.7,-165.796) G56(77.7,-163.796) G58(77.7,-161.796) G60(77.7,-159.796)